# Altium PCB PCB-FPGA.PcbDoc (part 2 of 2)
Units mil, origin at the board's own origin, x right, y up, seen from the top; angles counter-clockwise.
Board outline 6000 x 4000 mil, 2 copper layers (Top Layer, Bottom Layer); 361 components, 243 nets, 5231 pads, 5 vias.
Unrouted connection lines stored in the file: 561.
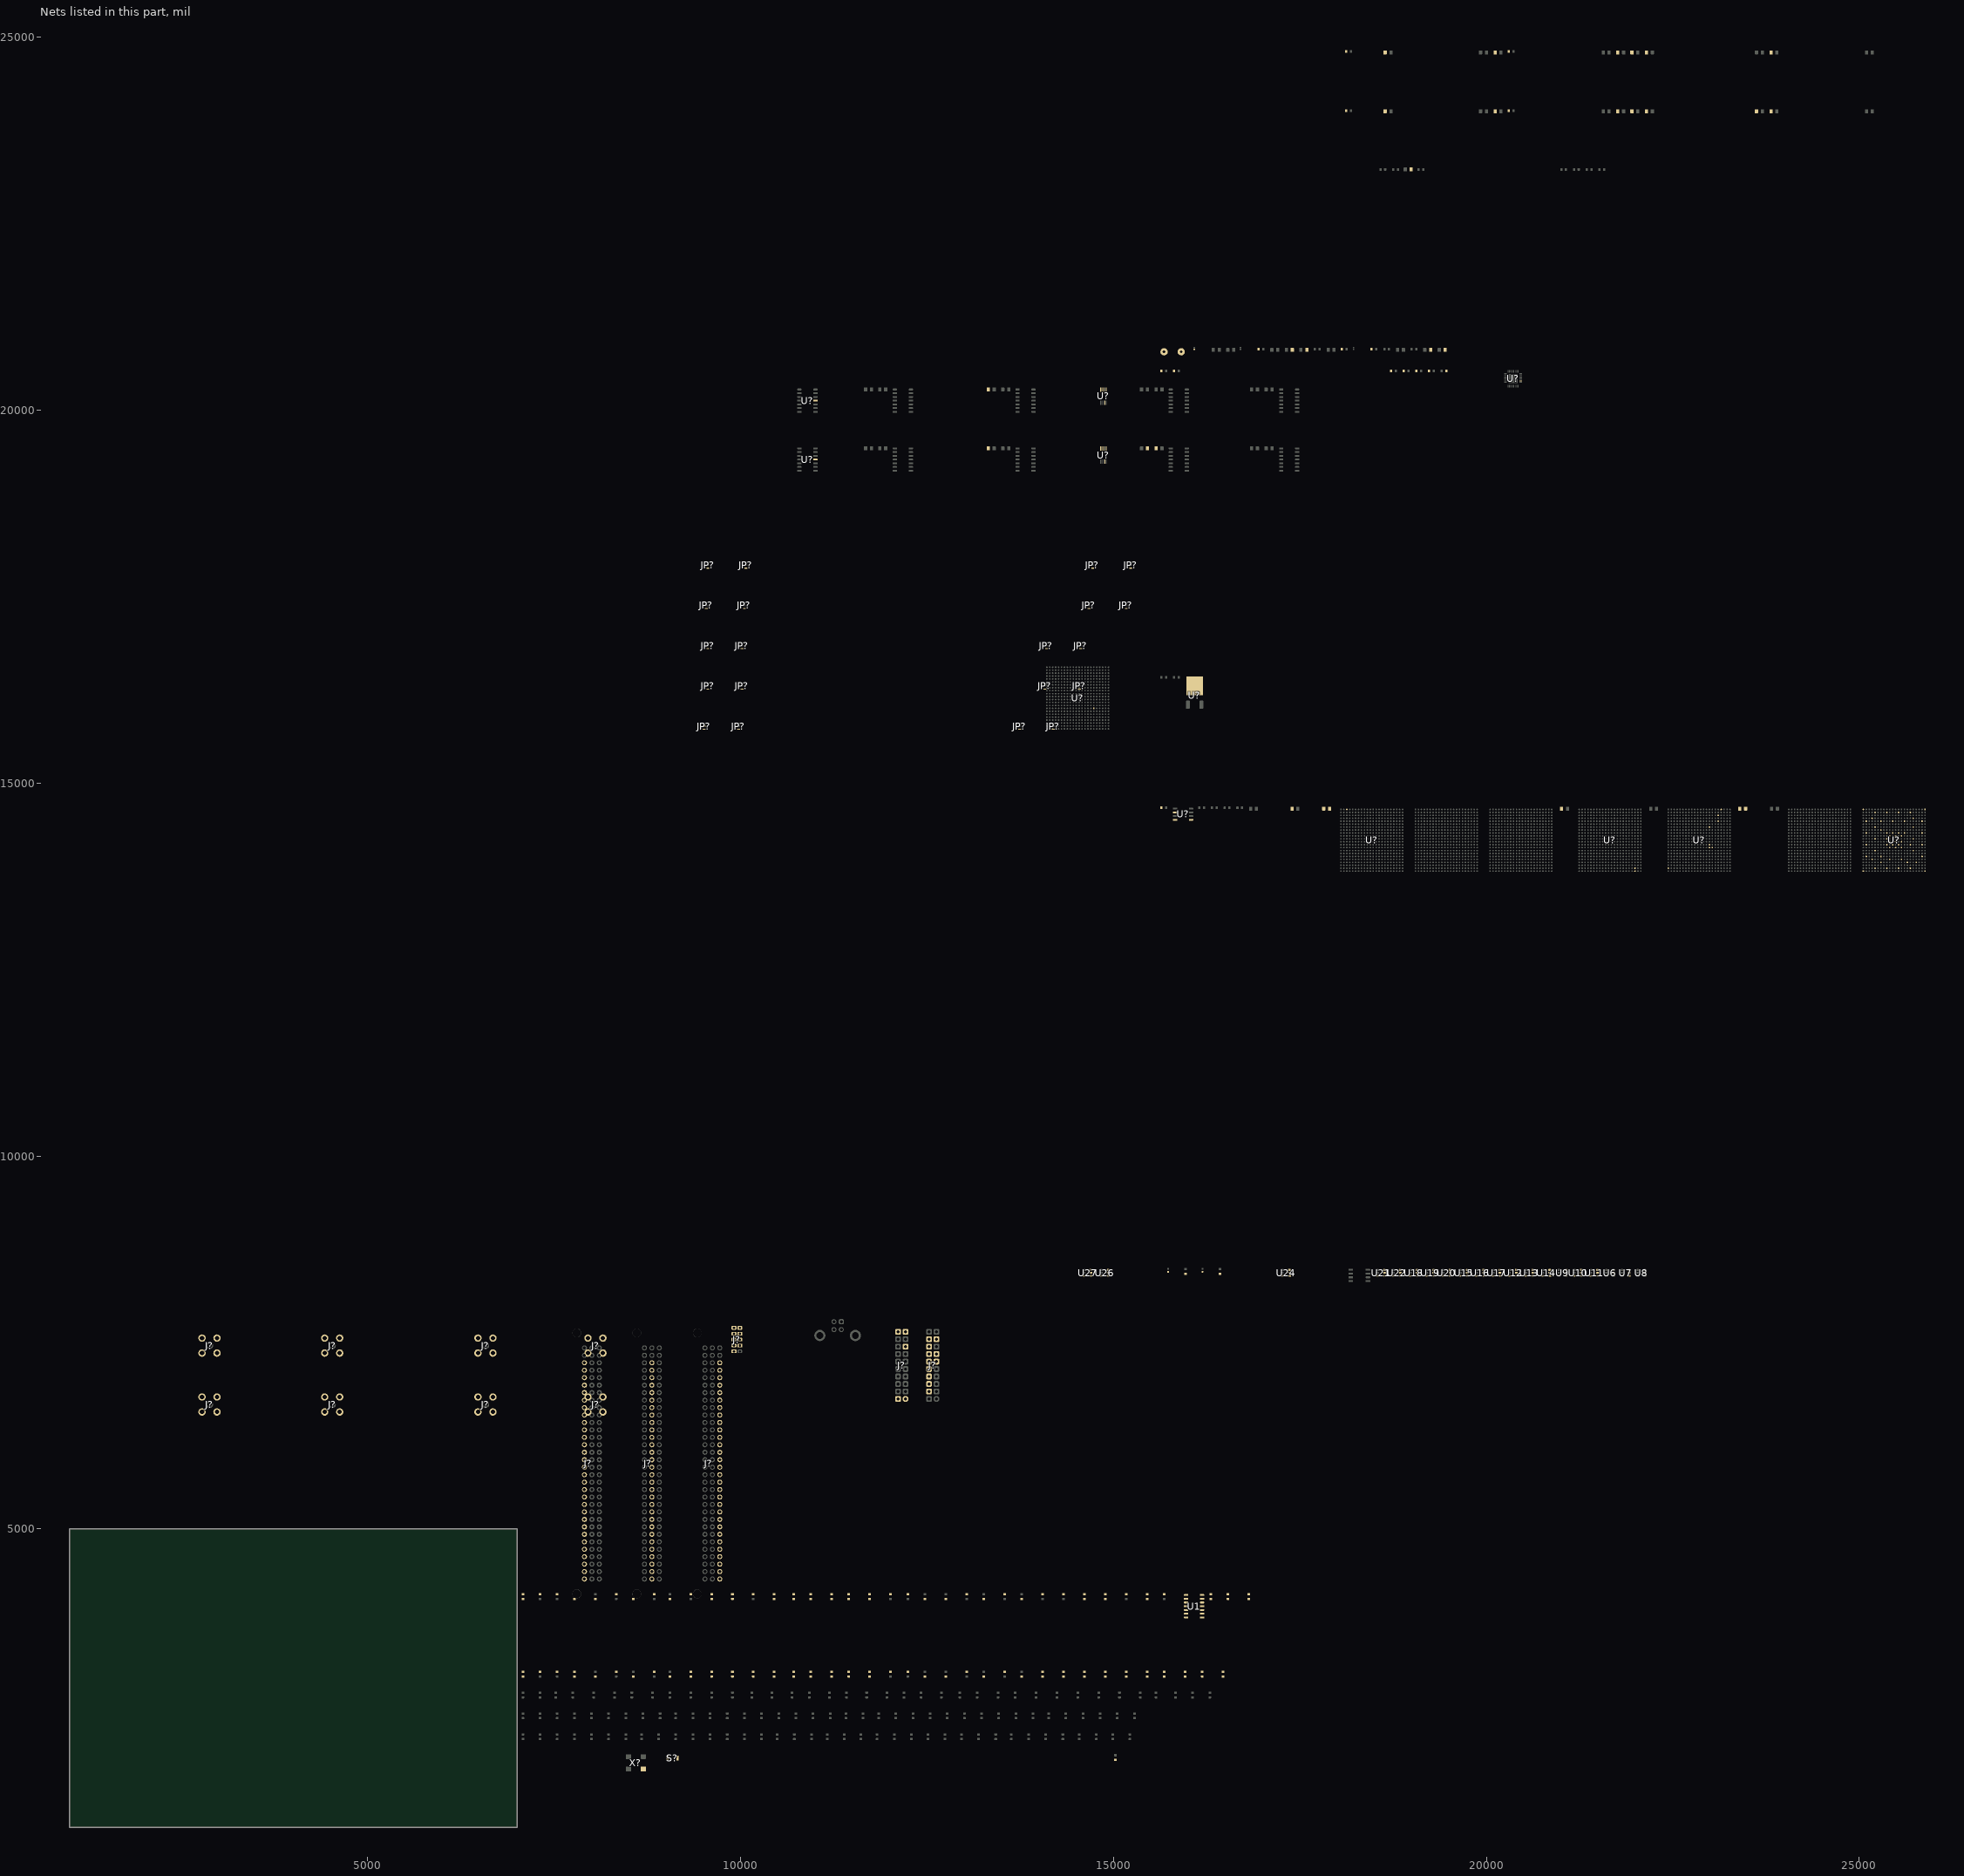
[diagram p2: the nets of this part, all layers, seen from the top]

## Via types
v1: diameter 23.62, hole 9.84, Top Layer to Bottom Layer, 5 vias

## Nets (pads, with @x,y where several pads share a name; then routed paths per layer and width w, separated by ;. In a path a pad name is that pad's centre, name@x,y a point inside that pad or via, vN(x,y) a via of type N, cw(c..) or ccw(c..) an arc to the next point about the centre after c; other vN are vias at no path point) (continued)
GND_D: C?.1@18119.13,24020 C?.1@18119.13,24810 C?.1@18641.26,24010 C?.1@18641.26,24800 C?.1@20116.26,24010 C?.1@20116.26,24800 C?.1@20299.13,24020 C?.1@20299.13,24810 C?.1@21761.26,24010 C?.1@21761.26,24800 C?.1@21951.26,24010 C?.1@21951.26,24800 C?.1@22146.26,24010 C?.1@22146.26,24800 C?.1@23816.26,24010 C?.1@23816.26,24800 C?.2@17396.65,20810 C?.2@17591.65,20810 C?.2@19251.65,20810 C?.2@19446.65,20810 J?.2@2777.32,6569.61 J?.2@2777.32,6770.39 J?.2@2777.32,7359.61 J?.2@2777.32,7560.39 J?.2@2978.11,6569.61 J?.2@2978.11,6770.39 J?.2@2978.11,7359.61 J?.2@2978.11,7560.39 J?.2@4422.32,6569.61 J?.2@4422.32,6770.39 J?.2@4422.32,7359.61 J?.2@4422.32,7560.39 J?.2@4623.11,6569.61 J?.2@4623.11,6770.39 J?.2@4623.11,7359.61 J?.2@4623.11,7560.39 J?.2@6477.32,6569.61 J?.2@6477.32,6770.39 J?.2@6477.32,7359.61 J?.2@6477.32,7560.39 J?.2@6678.11,6569.61 J?.2@6678.11,6770.39 J?.2@6678.11,7359.61 J?.2@6678.11,7560.39 J?.2@7952.32,6569.61 J?.2@7952.32,6770.39 J?.2@7952.32,7359.61 J?.2@7952.32,7560.39 J?.2@8153.11,6569.61 J?.2@8153.11,6770.39 J?.2@8153.11,7359.61 J?.2@8153.11,7560.39 J?.2@9910.63,7382.52 J?.4@9910.63,7461.26 J?.6@9910.63,7540 J?.8@9910.63,7618.74 J?.10@9910.63,7697.48 J?.A1@7905,4328.82 J?.A4@7905,4628.82 J?.A7@7905,4928.82 J?.A10@7905,5228.82 J?.A13@7905,5528.82 J?.A18@7905,6028.82 J?.A23@7905,6528.82 J?.A28@7905,7028.82 J?.A30@7905,7228.82 J?.B1@8810,4328.82 J?.B4@8810,4628.82 J?.B7@8810,4928.82 J?.B10@8810,5228.82 J?.B13@8810,5528.82 J?.B18@8810,6028.82 J?.B23@8810,6528.82 J?.B28@8810,7028.82 J?.B30@8810,7228.82 J?.C1@9720,4328.82 J?.C4@9720,4628.82 J?.C7@9720,4928.82 J?.C10@9720,5228.82 J?.C13@9720,5528.82 J?.C18@9720,6028.82 J?.C23@9720,6528.82 J?.C28@9720,7028.82 J?.C30@9720,7228.82 NT?.1@16082.28,20818.19 R?.1@15640.79,14670 R?.1@17392.91,14660 R?.1@17817.91,14660 R?.1@23397.91,14660 S?.1 TP?.1 U?.3@16087.28,16305.55 U?.4@15825,14510 U?.6@14904.37,19486.61 U?.6@14904.37,20276.61 U?.11@11002.28,19340 U?.11@11002.28,20130 U?.A1@25053.9,14648.39 U?.A22@25880.67,14648.39 U?.AA5@25211.38,13860.98 U?.AA9@25368.86,13860.98 U?.AA13@25526.34,13860.98 U?.AA17@25683.82,13860.98 U?.AB1@25053.9,13821.61 U?.AB22@25880.67,13821.61 U?.B5@25211.38,14609.02 U?.B9@25368.86,14609.02 U?.B13@25526.34,14609.02 U?.B17@25683.82,14609.02 U?.D4@25172.01,14530.28 U?.D18@25723.19,14530.28 U?.E2@25093.27,14490.91 U?.E7@25290.12,14490.91 U?.E11@25447.6,14490.91 U?.E15@25605.08,14490.91 U?.E21@25841.3,14490.91 U?.G5@25211.38,14412.17 U?.G18@25723.19,14412.17 U?.H7@25290.12,14372.8 U?.J2@25093.27,14333.43 U?.J9@25368.86,14333.43 U?.J11@25447.6,14333.43 U?.J13@25526.34,14333.43 U?.J15@25605.08,14333.43 U?.J21@25841.3,14333.43 U?.K10@25408.23,14294.06 U?.K12@25486.97,14294.06 U?.K14@25565.71,14294.06 U?.L5@25211.38,14254.68 U?.L9@25368.86,14254.68 U?.L11@25447.6,14254.68 U?.L13@25526.34,14254.68 U?.L18@25723.19,14254.68 U?.M10@25408.23,14215.32 U?.M12@25486.97,14215.32 U?.M14@25565.71,14215.32 U?.N2@25093.27,14175.94 U?.N9@25368.86,14175.94 U?.N11@25447.6,14175.94 U?.N13@25526.34,14175.94 U?.N15@22990.08,14175.94 U?.N17@25683.82,14175.94 U?.N21@25841.3,14175.94 U?.P10@25408.23,14136.57 U?.P12@25486.97,14136.57 U?.P14@25565.71,14136.57 U?.P15@22990.08,14136.57 U?.P16@23029.45,14136.57 U?.R5@25211.38,14097.2 U?.R17@14735.39,16004.37 U?.R18@25723.19,14097.2 U?.U2@25093.27,14018.46 U?.U7@25290.12,14018.46 U?.U21@25841.3,14018.46 U?.V4@25172.01,13979.09 U?.V10@25408.23,13979.09 U?.V14@25565.71,13979.09 U?.W7@25290.12,13939.72 U?.W16@25644.45,13939.72 U?.W19@25762.56,13939.72 X?.2
HARDRESET_N: R?.1@21007.91,14660 S?.2 U?.AA1@22438.9,13860.98
HSWAPEN: R?.2@17896.65,14660 U?.A3@18127.64,14648.39
NetC1_1: C1.1 R7.1 U1.1
NetC1_2: C1.2 R1.1 R5.2 U1.2
NetC2_1: C2.1 R8.1 U1.14
NetC2_2: C2.2 R2.1 R6.2 U1.13
NetC3_2: C3.2 R1.2 R7.2 R11.1 U12.3
NetC4_2: C4.2 R2.2 R8.2 R12.1 U6.3
NetC5_2: C5.2 R9.2 R15.1 U1.3
NetC6_2: C6.2 R10.2 R16.1 U1.12
NetC7_1: C7.1 R23.1 U1.7
NetC7_2: C7.2 R17.1 R21.2 U1.6
NetC8_1: C8.1 R24.1 U1.8
NetC8_2: C8.2 R19.1 R22.2 U1.9
NetC9_2: C9.2 R17.2 R23.2 R27.1 U15.3
NetC10_2: C10.2 R19.2 R24.2 R29.1 U9.3
NetC11_2: C11.2 R25.2 R31.1 U1.5
NetC12_2: C12.2 R26.2 R32.1 U1.10
NetC13_1: C13.1 U1.11
NetC13_2: C13.2 U1.4
NetC14_1: 
NetC14_2: 
NetC15_1: 
NetC15_2: 
NetC16_2: U24.3
NetC17_2: U18.3
NetC18_2: 
NetC19_2: 
NetC20_1: 
NetC20_2: 
NetC21_1: 
NetC21_2: 
NetC22_2: U26.3
NetC23_2: U21.3
NetC24_2: 
NetC25_2: 
NetC26_1: 
NetC26_2: 
NetC27_1: 
NetC27_2: 
NetC28_1: 
NetC28_2: 
NetC29_2: U10.3
NetC30_2: U27.3
NetC31_2: 
NetC32_2: 
NetC33_1: 
NetC33_2: 
NetC34_1: 
NetC34_2: 
NetC35_2: U13.3
NetC36_2: U7.3
NetC37_2: 
NetC38_2: 
NetC39_1: 
NetC39_2: 
NetC40_1: 
NetC40_2: 
NetC41_1: 
NetC41_2: 
NetC42_2: U22.3
NetC43_2: U16.3
NetC44_2: 
NetC45_2: 
NetC46_1: 
NetC46_2: 
NetC47_1: 
NetC47_2: 
NetC48_2: U8.3
NetC49_2: U19.3
NetC50_2: 
NetC51_2: 
NetC52_1: 
NetC52_2: 
NetC53_1: C53.1 R135.1
NetC53_2: C53.2 R129.1 R133.2
NetC54_1: C54.1 R136.1
NetC54_2: C54.2 R130.1 R134.2
NetC55_2: C55.2 R129.2 R135.2 R139.1 U17.3
NetC56_2: C56.2 R130.2 R136.2 R140.1 U11.3
NetC57_2: C57.2 R137.2 R143.1
NetC58_2: C58.2 R138.2 R144.1
NetC59_1: C59.1 R151.1
NetC59_2: C59.2 R145.1 R149.2
NetC60_1: C60.1 R152.1
NetC60_2: C60.2 R147.1 R150.2
NetC61_2: C61.2 R145.2 R151.2 R155.1 U20.3
NetC62_2: C62.2 R147.2 R152.2 R157.1 U14.3
NetC63_2: C63.2 R153.2 R159.1
NetC64_2: C64.2 R154.2 R160.1
NetC65_1: C65.1
NetC65_2: C65.2
NetC66_1: C66.1 C67.1 C68.1 C69.1
NetC?_1: C?.1@23621.26,24010 R?.1@15570.63,19490 R?.2@15454.37,19490
NetC?_2: C?.2@18720,24800 R?.2@11944.37,20280 U?.12@12282.28,20180
NetC?_2: C?.2@18990,23230 JP?.1 R?.1@16945.79,20820 R?.1@18060.79,20820 R?.1@18460.79,20820
NetJ?_1: J?.1@12210,6745
NetJ?_2: J?.2@12110,6745
NetJ?_3: J?.3@9989.37,7461.26 R?.1@19230.79,20530 U?.C18@23108.19,14569.65
NetJ?_4: J?.4@12525,6845
NetJ?_5: J?.5@9989.37,7540 R?.1@19060.79,20530 U?.G15@22990.08,14412.17
NetJ?_6: J?.6@12525,6945
NetJ?_7: J?.7@9989.37,7618.74 R?.1@18890.79,20530 U?.A19@23147.56,14648.39
NetJ?_8: J?.8@12525,7045
NetJ?_9: J?.9@9989.37,7697.48 R?.1@18720.79,20530 U?.E18@23108.19,14490.91
NetJ?_10: J?.10@12525,7145
NetJ?_11: J?.11@12625,7245
NetJ?_12: J?.12@12525,7245 R137.1
NetJ?_13: J?.13@12625,7345 R149.1
NetJ?_14: J?.14@12525,7345 R153.1
NetJ?_15: J?.15@12210,7445 R133.1
NetJ?_16: J?.16@12525,7445
NetJ?_17: J?.17@12625,7545 R150.1
NetJ?_18: J?.18@12525,7545 R154.1
NetJ?_19: J?.19@12210,7645 R134.1
NetJ?_20: J?.20@12110,7645 R138.1
NetJ?_A2: J?.A2@7905,4428.82
NetJ?_A3: J?.A3@7905,4528.82
NetJ?_A5: J?.A5@7905,4728.82
NetJ?_A6: J?.A6@7905,4828.82
NetJ?_A8: J?.A8@7905,5028.82
NetJ?_A9: J?.A9@7905,5128.82
NetJ?_A11: J?.A11@7905,5328.82
NetJ?_A12: J?.A12@7905,5428.82
NetJ?_A14: J?.A14@7905,5628.82
NetJ?_A15: J?.A15@7905,5728.82
NetJ?_A16: J?.A16@7905,5828.82
NetJ?_A17: J?.A17@7905,5928.82
NetJ?_A19: J?.A19@7905,6128.82
NetJ?_A20: J?.A20@7905,6228.82
NetJ?_A21: J?.A21@7905,6328.82
NetJ?_A22: J?.A22@7905,6428.82
NetJ?_A24: J?.A24@7905,6628.82
NetJ?_A25: J?.A25@7905,6728.82
NetJ?_A26: J?.A26@7905,6828.82
NetJ?_A27: J?.A27@7905,6928.82
NetJ?_A29: J?.A29@7905,7128.82
NetJ?_B2: J?.B2@8810,4428.82
NetJ?_B3: J?.B3@8810,4528.82
NetJ?_B5: J?.B5@8810,4728.82
NetJ?_B6: J?.B6@8810,4828.82
NetJ?_B8: J?.B8@8810,5028.82
NetJ?_B9: J?.B9@8810,5128.82
NetJ?_B11: J?.B11@8810,5328.82
NetJ?_B12: J?.B12@8810,5428.82
NetJ?_B14: J?.B14@8810,5628.82
NetJ?_B15: J?.B15@8810,5728.82
NetJ?_B16: J?.B16@8810,5828.82
NetJ?_B17: J?.B17@8810,5928.82
NetJ?_B19: J?.B19@8810,6128.82
NetJ?_B20: J?.B20@8810,6228.82
NetJ?_B21: J?.B21@8810,6328.82
NetJ?_B22: J?.B22@8810,6428.82
NetJ?_B24: J?.B24@8810,6628.82
NetJ?_B25: J?.B25@8810,6728.82
NetJ?_B26: J?.B26@8810,6828.82
NetJ?_B27: J?.B27@8810,6928.82
NetJ?_B29: J?.B29@8810,7128.82 R?.1@15810.79,20530
NetJ?_C2: J?.C2@9720,4428.82
NetJ?_C3: J?.C3@9720,4528.82
NetJ?_C5: J?.C5@9720,4728.82
NetJ?_C6: J?.C6@9720,4828.82
NetJ?_C8: J?.C8@9720,5028.82
NetJ?_C9: J?.C9@9720,5128.82
NetJ?_C11: J?.C11@9720,5328.82
NetJ?_C12: J?.C12@9720,5428.82
NetJ?_C14: J?.C14@9720,5628.82
NetJ?_C15: J?.C15@9720,5728.82
NetJ?_C16: J?.C16@9720,5828.82
NetJ?_C17: J?.C17@9720,5928.82
NetJ?_C19: J?.C19@9720,6128.82
NetJ?_C20: J?.C20@9720,6228.82
NetJ?_C21: J?.C21@9720,6328.82
NetJ?_C22: J?.C22@9720,6428.82
NetJ?_C24: J?.C24@9720,6628.82
NetJ?_C25: J?.C25@9720,6728.82
NetJ?_C26: J?.C26@9720,6828.82
NetJ?_C27: J?.C27@9720,6928.82
NetJ?_C29: J?.C29@9720,7128.82 R?.1@15640.79,20530
NetJP?_2: JP?.2@9510.32,15765.16 R160.2
NetLD?_1: LD?.1 R?.2@23476.65,14660
NetR149_1: R21.1
NetR153_1: R25.1
NetR?_1: R?.1@13320.63,19490 R?.1@13320.63,20280 U?.4@14884.69,19313.39 U?.4@14884.69,20103.39
NetR?_2: R?.2@19463.78,20530 U?.19
NetU6_4: U6.4 U7.4 U8.4 U9.4 U10.4 U11.4 U12.4 U13.4 U14.4 U15.4 U16.4 U17.4 U18.4 U19.4 U20.4 U21.4 U22.4 U24.4 U26.4 U27.4
NetU6_5: U6.5
NetU6_6: U6.6
NetU7_5: U7.5
NetU7_6: U7.6
NetU8_5: U8.5
NetU8_6: U8.6
NetU9_5: U9.5
NetU9_6: U9.6
NetU10_5: U10.5
NetU10_6: U10.6
NetU11_5: U11.5
NetU11_6: U11.6
NetU12_5: U12.5
NetU12_6: U12.6
NetU13_5: U13.5
NetU13_6: U13.6
NetU14_5: U14.5
NetU14_6: U14.6
NetU15_5: U15.5
NetU15_6: U15.6
NetU16_5: U16.5
NetU16_6: U16.6
NetU17_5: U17.5
NetU17_6: U17.6
NetU18_5: U18.5
NetU18_6: U18.6
NetU19_5: U19.5
NetU19_6: U19.6
NetU20_5: U20.5
NetU20_6: U20.6
NetU21_5: U21.5
NetU21_6: U21.6
NetU22_5: U22.5
NetU22_6: U22.6
NetU24_5: U24.5
NetU24_6: U24.6
NetU26_5: U26.5
NetU26_6: U26.6
NetU27_5: U27.5
NetU27_6: U27.6
NetU?_2: U?.2@15825,14610 U?.AA20@21991.93,13860.98
NetU?_5: U?.5@16039.57,14510 U?.AB20@21991.93,13821.61
NetU?_8: U?.8@14865,19486.61 U?.8@14865,20276.61
NetU?_9: U?.9@14845.32,19486.61 U?.9@14845.32,20276.61
NetU?_10: U?.10@14825.63,19486.61 U?.10@14825.63,20276.61